# Altium PCB radxa_cm3i_io_board_v1.4.PcbDoc (part 3 of 9)
Units mil, origin at the board's own origin, x right, y up, seen from the top; angles counter-clockwise.
Board outline 7886.22 x 5511.42 mil, 4 copper layers (Top, GND, Power, Bottom), stack 35.4 mil thick; 724 components, 544 nets, 2607 pads, 3449 vias.
Unrouted connection lines stored in the file: 2847.
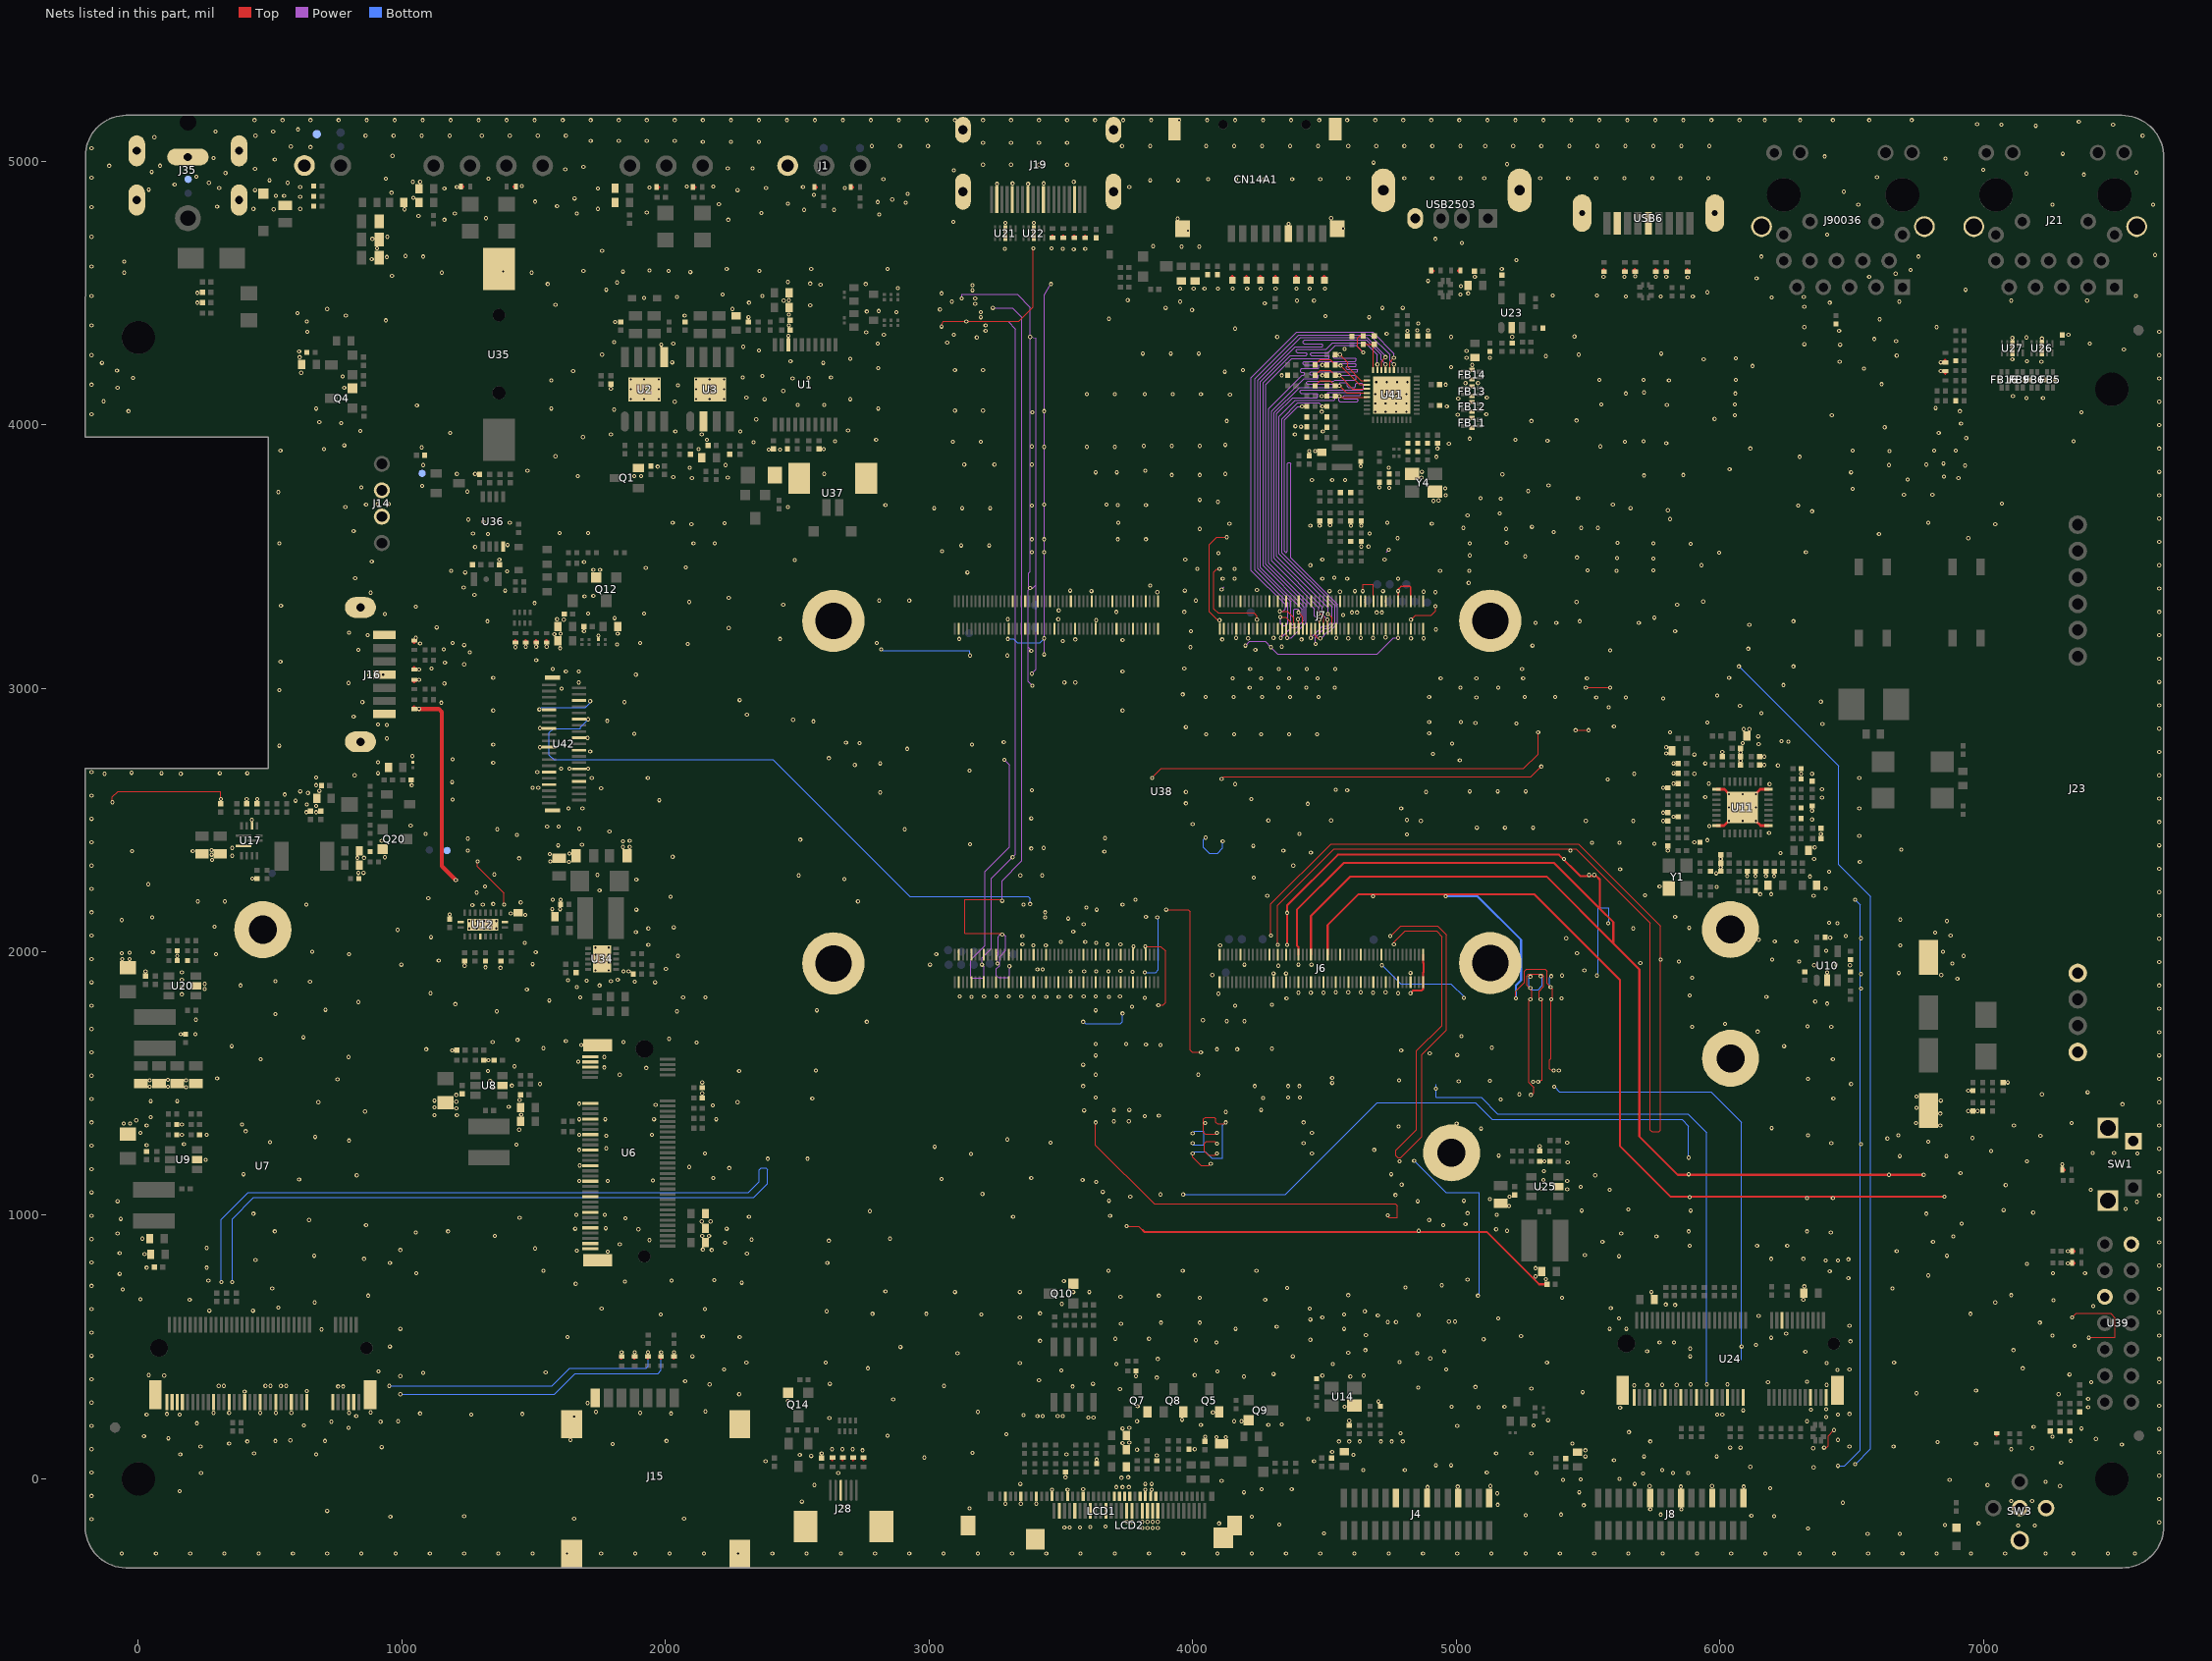
[diagram p5: the nets of this part, all layers, seen from the top]

## Via types
v1: diameter 15.75, hole 7.87, Top to Bottom, 3415 vias
v2: diameter 19.68, hole 11.81, Top to Bottom, 34 vias

## Nets (pads, with @x,y where several pads share a name; then routed paths per layer and width w, separated by ;. In a path a pad name is that pad's centre, name@x,y a point inside that pad or via, vN(x,y) a via of type N, cw(c..) or ccw(c..) an arc to the next point about the centre after c; other vN are vias at no path point) (continued)
GMAC0_RXCLK: J7.53 R400.2 | length 1785.9
  Top w3.94: v1(4415.35,4068.9) R400.2@4433.07,4068.9 ; J7.53@4465.35,3225.59 4465.35,3198.82 4475.2,3188.98 v1(4484.25,3188.98)
  Power w3.94: v1(4415.35,4068.9) 4399.61,4068.9 4348.43,4017.72 4348.43,3519.69 4352.36,3515.75 4356.3,3515.75 4360.24,3519.69 4360.24,3852.36 4364.17,3856.3 4368.11,3856.3 4372.05,3852.36 4372.05,3494.09 4549.21,3316.93 4549.21,3244.09 4519.69,3214.57 4512.85,3214.57 4487.26,3188.98 v1(4484.25,3188.98)
GMAC0_RXD0: J7.45 R382.1 R383.2 U41.25 | length 1779.8
  Top w3.94: R383.2@4464.57,4147.64 4484.25,4167.32 4521.65,4167.32 R382.1@4541.34,4147.64 v1(4557.09,4147.64) 4584.65,4120.08 U41.25@4661.42,4120.08 ; v1(4513.78,3281.5) 4528.35,3266.93 J7.45@4528.35,3225.59
  Power w3.94: v1(4513.78,3281.5) 4513.78,3305.12 4318.9,3500 4318.9,4041.34 4379.92,4102.36 4470.47,4102.36 4474.41,4106.3 4474.41,4114.17 4470.47,4118.11 4411.42,4118.11 4407.48,4122.05 4407.48,4127.95 4411.42,4131.89 4643.7,4131.89 4647.64,4135.83 4647.64,4151.57 4641.73,4157.48 4622.05,4157.48 4618.11,4153.54 4618.11,4145.67 4614.17,4141.73 4590.55,4141.73 4586.61,4145.67 4586.61,4156.16 4583.33,4159.45 4561.02,4159.45 4557.09,4155.51 v1(4557.09,4147.64)
GMAC0_RXD1: J7.47 R386.1 R387.2 U41.24 | length 1787.3
  Top w3.94: R387.2@4464.57,4187.01 4484.25,4206.69 4521.65,4206.69 R386.1@4541.34,4187.01 v1(4557.09,4187.01) 4608.27,4135.83 U41.24@4661.42,4135.83 ; v1(4511.81,3259.84) 4512.6,3259.06 J7.47@4512.6,3225.59
  Power w3.94: v1(4511.81,3259.84) 4492.13,3279.53 4492.13,3309.06 4309.06,3492.13 4309.06,4045.28 4405.51,4141.73 4531.5,4141.73 4535.43,4145.67 4535.43,4149.61 4531.5,4153.54 4435.04,4153.54 4433.07,4155.51 4433.07,4161.42 4437.01,4165.35 4535.43,4165.35 4539.37,4169.29 4616.14,4169.29 4620.08,4173.23 4620.08,4183.07 4616.14,4187.01 v1(4557.09,4187.01)
GMAC0_RXD2: J7.49 R388.1 R389.2 U41.23 | length 1782.9
  Top w3.94: R389.2@4464.57,4226.38 4484.25,4246.06 4521.65,4246.06 R388.1@4541.34,4226.38 4543.31,4224.41 v1(4561.02,4224.41) 4633.86,4151.57 U41.23@4661.42,4151.57 ; v1(4478.35,3281.5) 4487.01,3281.5 4496.85,3271.65 J7.49@4496.85,3225.59
  Power w3.94: v1(4478.35,3281.5) 4478.35,3305.12 4299.21,3484.25 4299.21,4051.18 4423.23,4175.2 4472.44,4175.2 4476.38,4179.13 4476.38,4185.04 4472.44,4188.98 4446.85,4188.98 4444.88,4190.94 4444.88,4196.85 4448.82,4200.79 4624.02,4200.79 4625.98,4202.76 4625.98,4208.66 4624.02,4210.63 4584.65,4210.63 4582.68,4212.6 4582.68,4218.5 4584.65,4220.47 4618.11,4220.47 4620.08,4222.44 4620.08,4228.35 4616.14,4232.28 4566.93,4232.28 4561.02,4226.38 v1(4561.02,4224.41)
GMAC0_RXD3: J7.51 R372.2 U41.22 | length 1786.5
  Top w3.94: v1(4480.32,3259.84) 4481.1,3259.06 J7.51@4481.1,3225.59 ; R372.2@4541.34,4265.75 v1(4559.06,4265.75) 4588.58,4236.22 4588.58,4218.5 4639.76,4167.32 U41.22@4661.42,4167.32
  Power w3.94: v1(4480.32,3259.84) 4478.35,3259.84 4462.6,3275.59 4462.6,3301.18 4289.37,3474.41 4289.37,4061.02 4415.35,4187.01 4421.26,4187.01 4425.2,4190.94 4425.2,4194.88 4421.26,4198.82 4411.42,4198.82 4409.45,4200.79 4409.45,4208.66 4413.39,4212.6 4476.38,4212.6 4478.35,4214.57 4478.35,4224.41 4476.38,4226.38 4423.23,4226.38 4419.29,4230.31 4419.29,4236.22 4423.23,4240.16 4616.14,4240.16 4620.08,4244.09 4620.08,4248.03 4616.14,4251.97 4537.4,4251.97 4533.46,4255.91 4533.46,4261.81 4537.4,4265.75 v1(4559.06,4265.75)
GMAC0_RXDV_CRS: J7.55 R379.1 U41.26 | length 1785.3
  Top w3.94: v1(4448.82,3190.94) 4449.61,3191.73 J7.55@4449.61,3225.59 ; R379.1@4541.34,4108.27 v1(4557.09,4108.27) 4561.02,4104.33 U41.26@4661.42,4104.33
  Power w3.94: v1(4448.82,3190.94) 4494.09,3236.22 4513.78,3236.22 4529.53,3251.97 4529.53,3309.06 4328.74,3509.84 4328.74,4031.5 4389.76,4092.52 4537.4,4092.52 4540.93,4096.04 4540.93,4102.93 4537.56,4106.3 4509.84,4106.3 4507.87,4108.27 4507.87,4116.14 4513.78,4122.05 4635.83,4122.05 4637.8,4120.08 4637.8,4112.2 4635.83,4110.24 4575.93,4110.24 4572.83,4107.14 4572.83,4100.39 4574.8,4098.43 4624.02,4098.43 4627.95,4094.49 4627.95,4090.55 4624.02,4086.61 4559.06,4086.61 4555.12,4090.55 4555.12,4106.3 v1(4557.09,4108.27)
GMAC0_TXCLK: J7.67 R398.2 | length 1780.7
  Top w3.94: J7.67@4355.12,3225.59 4355.12,3198.82 4358.27,3195.67 v1(4358.27,3190.94) ; v1(4647.64,4273.62) 4625.98,4295.28 4625.98,4328.74 4633.86,4336.61 R398.2@4647.64,4336.61
  Power w3.94: v1(4358.27,3190.94) 4374.02,3190.94 4431.1,3248.03 4431.1,3316.93 4277.56,3470.47 4277.56,4151.57 4375.98,4250 4515.75,4250 4517.72,4251.97 4517.72,4259.84 4515.75,4261.81 4450.79,4261.81 4446.85,4265.75 4446.85,4269.69 4450.79,4273.62 4513.78,4273.62 4541.34,4301.18 4620.08,4301.18 v1(4647.64,4273.62)
GMAC0_TXD0: J7.59 U41.18 | length 1780.9
  Top w3.94: v1(4401.57,3287.4) 4418.11,3270.87 J7.59@4418.11,3225.59 ; U41.18@4716.54,4206.69 4716.54,4240.16 v1(4732.28,4255.91)
  Power w3.94: v1(4401.57,3287.4) 4401.57,3297.78 4398.17,3301.18 4387.8,3301.18 4383.86,3297.24 4383.86,3245.82 4380.17,3242.13 4375.98,3242.13 4372.05,3246.06 4372.05,3328.74 4248.03,3452.76 4248.03,4169.29 4409.45,4330.71 4661.42,4330.71 4732.28,4259.84 v1(4732.28,4255.91)
GMAC0_TXD1: J7.61 U41.17 | length 1777.2
  Top w3.94: v1(4399.61,3261.81) 4402.36,3259.06 J7.61@4402.36,3225.59 ; U41.17@4732.28,4206.69 v1(4732.28,4228.35)
  Power w3.94: v1(4399.61,3261.81) 4415.35,3277.56 4415.35,3299.21 4257.87,3456.69 4257.87,4163.39 4389.76,4295.28 4492.13,4295.28 4494.09,4297.24 4494.09,4303.15 4490.16,4307.09 4423.23,4307.09 4419.29,4311.02 4419.29,4314.96 4425.2,4320.87 4659.45,4320.87 4714.57,4265.75 4714.57,4246.06 v1(4732.28,4228.35)
GMAC0_TXD2: J7.63 U41.16 | length 1777.8
  Top w3.94: v1(4330.71,3291.34) 4360.24,3291.34 4383.86,3267.72 4383.86,3246.85 4386.61,3244.09 J7.63@4386.61,3225.59 ; U41.16@4748.03,4206.69 4748.03,4238.19 v1(4763.78,4253.94)
  Power w3.94: v1(4330.71,3291.34) 4342.52,3291.34 4352.36,3301.18 4352.36,3316.8 4222.44,3446.72 4222.44,4177.17 4395.67,4350.39 4683.07,4350.39 4763.78,4269.69 v1(4763.78,4253.94)
GMAC0_TXD3: J7.65 U41.15 | length 1792.8
  Top w3.94: v1(4332.68,3269.69) 4354.33,3269.69 4370.87,3253.15 J7.65@4370.87,3225.59 ; U41.15@4763.78,4206.69 v1(4763.78,4228.35)
  Power w3.94: v1(4332.68,3269.69) 4332.68,3244.09 4338.58,3238.19 4356.3,3238.19 4362.2,3244.09 4362.2,3322.83 4236.22,3448.82 4236.22,4175.2 4401.57,4340.55 4673.23,4340.55 4748.03,4265.75 4748.03,4244.09 v1(4763.78,4228.35)
GMAC0_TXEN: J7.69 U41.19 | length 1780.2
  Top w3.94: v1(4334.65,3190.94) 4339.37,3195.67 J7.69@4339.37,3225.59 ; U41.19@4700.79,4206.69 v1(4700.79,4228.35)
  Power w3.94: v1(4334.65,3190.94) 4374.02,3230.31 4395.67,3230.31 4423.23,3257.87 4423.23,3309.06 4267.72,3464.57 4267.72,4159.45 4370.08,4261.81 4431.1,4261.81 4435.04,4265.75 4435.04,4269.69 4431.1,4273.62 4397.64,4273.62 4393.7,4277.56 4393.7,4282.14 4397,4285.43 4505.91,4285.43 4531.5,4311.02 4655.51,4311.02 4700.79,4265.75 v1(4700.79,4228.35)
GMAC1_TXCLK: C256.1 R398.1 U41.20 | length 142.8
  Top w3.94: R398.1@4647.64,4305.12 4685.65,4305.12 4687.31,4303.45 C256.1@4688.98,4305.12 4685.04,4301.18 U41.20@4685.04,4206.69
GND: C3.2 C4.2 C5.1 C6.1 C7.2 C8.2 C9.2 C11.2 C12.2 C13.2 C14.2 C15.2 C17.2 C18.2 C19.2 C24.2 C25.2 C26.2 C31.2 C32.2 C33.2 C34.2 C35.2 C36.2 C37.2 C40.2 C41.2 C42.2 C44.2 C45.2 C46.2 C48.2 C49.2 C50.2 C51.2 C52.2 C53.2 C54.2 C55.2 C56.2 C57.2 C58.2 C59.2 C60.2 C61.2 C62.2 C63.2 C64.2 C65.2 C66.2 C67.2 C68.1 C69.1 C70.1 C71.1 C72.1 C73.1 C74.1 C75.1 C76.2 C78.1 C79.2 C80.2 C92.2 C94.2 C105.2 C106.2 C108.2 C109.2 C110.2 C111.2 C113.2 C114.2 C115.2 C116.2 C117.2 C118.2 C119.2 C120.2 C121.2 C122.2 C123.2 C124.2 C125.1 C126.2 C128.2 C129.2 C131.2 C132.2 C133.2 C134.2 C135.2 C136.2 C137.2 C138.2 C139.2 C140.2 C141.2 C142.2 C143.2 C144.2 C149.2 C150.2 C152.2 C153.2 C154.2 C155.2 C156.2 C157.1 C161.2 C162.2 C204.2 C206.2 C207.2 C208.2 C209.2 C210.2 C211.2 C213.1 C214.2 C215.2 C216.2 C217.1 C218.2 C219.2 C220.2 C221.2 C222.2 C223.2 C224.2 C225.1 C227.2 C228.2 C229.2 C230.2 C231.2 C232.2 C233.2 C238.2 C239.2 C240.2 C241.1 C242.2 C243.2 C244.2 C245.2 C246.2 C247.2 C248.2 C249.2 C250.2 C251.2 C252.2 C253.2 C254.2 C255.2 C256.2 C257.2 C258.2 C259.2 C260.2 C261.2 C262.2 C264.2 C267.2 C270.2 C271.1 C272.1 CN14A1.6 CN14A1.10 CN14A1.11 CN14A1.12 CN14A1.13 D1.1 D2.1 D3.1 D4.1 D6.1 D7.1 D8.1 D9.1 D10.1 D11.1 D12.1 D13.1 D14.1 D16.1 D26.1 D27.1 D32.1 D33.1 D34.1 D35.1 D40.1 D41.1 D42.1 D43.1 D44.1 D45.1 D46.1 D49.2 D50.2 D51.2 D53.2 ED1.2 ED2.2 ED3.2 ED4.2 ED5.2 ED6.2 ED7.2 ED8.2 ED9.2 ED10.2 ED11.2 ED12.2 ED13.2 ED14.2 ED15.2 ED16.2 ED17.2 ED18.2 FB1.2 FB2.2 FB5.5 FB5.6 FB6.5 FB6.6 FB9.5 FB9.6 FB11.5 FB11.6 FB12.5 FB12.6 FB13.5 FB13.6 FB14.5 FB14.6 FB16.5 FB16.6 GND_1.1 J1.3 J4.6 J4.9 J4.12 J4.15 J6.1 J6.2 J6.7 J6.13 J6.19 J6.22 J6.25 J6.31 J6.32 J6.37 J6.42 J6.43 J6.48 J6.49 J6.55 J6.56 J6.61 J6.62 J6.67 J6.68 J6.72 J6.73 J6.76 J6.90 J6.99 J6.100 J7.1 J7.2 J7.7 J7.8 J7.13 J7.14 J7.19 J7.20 J7.22 J7.25 J7.26 J7.30 J7.31 J7.32 J7.37 J7.42 J7.43 J7.48 J7.56 J7.57 J7.62 J7.68 J7.71 J7.72 J7.76 J7.77 J7.81 J7.85 J7.90 J7.91 J7.97 J7.99 J7.100 J8.6 J8.9 J8.12 J8.15 J14.2 J14.3 J15.1 J15.2 J15.3 J15.4 J15.C5 J16.1 J16.4 J16.7 J16.8 J16.9 J19.2 J19.5 J19.8 J19.11 J19.17 J19.20 J19.21 J19.22 J19.23 J20.1 J21.19 J21.20 J23.7 J23.10 J28.3 J28.7 J28.8 J32.1 J33.1 J35.3 J35.4 J35.5 J35.6 J35.7 J90036.19 J90036.20 LCD1.2 LCD1.5 LCD1.8 LCD1.11 LCD1.14 LCD1.17 LCD1.23 LCD1.24 LCD1.25 LCD1.26 LCD1.28 LCD1.29 LCD1.30 LCD1.31 LCD1.43 LCD1.44 LCD2.2 LCD2.5 LCD2.8 LCD2.11 LCD2.15 LCD2.16 LCD2.18 LCD2.19 LCD2.20 LCD2.21 LCD2.31 LCD2.32 LED2.2 P22.1 P23.1 Q1.2 Q4.2 Q5.2 Q7.2 Q8.2 Q9.2 Q10.2 Q12.2 Q14.2 Q20.2 R8.2 R21.2 R23.2 R33.2 R40.1 R41.2 R42.1 R109.2 R110.2 R114.2 R115.2 R121.2 R123.1 R125.1 R126.1 R129.2 R130.2 R133.2 R134.2 R141.2 R143.2 R144.2 R145.2 R146.1 R149.2 R150.2 R151.1 R153.1 R154.2 R167.2 R183.1 R191.2 R192.1 R193.2 R198.2 R202.2 R207.2 R208.2 R227.2 R228.2 R229.1 R235.1 R276.2 R295.1 R309.1 R314.2 R317.1 R321.1 R327.1 R329.2 R330.2 R353.2 R361.2 R364.2 R365.2 R367.2 R369.2 R370.2 R373.2 R378.2 R379.2 R380.2 R382.2 R386.2 R388.2 R391.2 SW1.1 SW1.3 SW1.4 SW3.2 SW3.3 SW3.L1 TP2.1 TP8.1 U1.18 U2.5 U2.9 U3.2 U3.9 U6.1 U6.3 U6.9 U6.15 U6.21 U6.27 U6.33 U6.39 U6.45 U6.51 U6.57 U6.71 U6.73 U6.75 U6.76 U6.77 U7.3 U7.5 U7.11 U7.21 U7.27 U7.33 U7.39 U7.45 U7.51 U7.57 U7.69 U7.71 U7.73 U7.75 U7.76 U7.77 U7.78 U8.2 U9.2 U10.2 U11.1 U11.8 U11.17 U11.24 U11.33 U12.4 U12.10 U12.19 U12.21 U14.2 U17.2 U17.10 U18.2 U20.2 U21.3 U21.8 U22.3 U22.8 U23.2 U24.1 U24.7 U24.18 U24.33 U24.39 U24.45 U24.51 U24.57 U24.63 U24.69 U24.75 U24.76 U24.77 U25.2 U26.3 U26.8 U27.3 U27.8 U34.11 U35.2 U36.4 U37.3 U37.4 U38.1 U38.2 U38.7 U38.8 U38.13 U38.14 U38.22 U38.23 U38.32 U38.33 U38.42 U38.43 U38.52 U38.53 U38.59 U38.60 U38.65 U38.66 U38.71 U38.74 U38.98 U38.107 U38.108 U38.113 U38.114 U38.119 U38.120 U38.125 U38.126 U38.131 U38.132 U38.137 U38.138 U38.144 U38.150 U38.155 U38.156 U38.161 U38.162 U38.167 U38.168 U38.173 U38.174 U38.179 U38.180 U38.185 U38.186 U38.191 U38.192 U38.197 U38.198 U38.201 U38.202 U38.203 U38.204 U39.2 U39.5 U41.41 U42.6 U42.9 U42.12 U42.15 U42.18 U42.21 U42.22 U42.28 U42.29 U42.32 U42.33 U42.40 U42.41 USB6.4 USB6.7 USB6.10 USB6.11 USB2503.4 USB2503.5 USB2503.6 Y1.2 Y4.2 Y4.4 | length 68673.8
  Top w3.94: v1(-98.43,2566.93) -98.43,2586.61 -76.77,2608.27 312.99,2608.27 v1(312.99,2578.74) ; v1(1287.4,2342.52) 1287.4,2322.83 1387.8,2222.44 v1(1387.8,2179.13) ; v1(3047.24,4372.05) 3053.15,4391.73 v1(3141.73,4391.73) 3340.55,4391.73 3395.67,4446.85 v1(3395.67,4669.29) ; v1(3277.56,2064.96) 3273.62,2068.9 3135.83,2068.9 3135.83,2198.82 3271.65,2198.82 v1(3277.56,2192.91) ; v1(3631.89,1352.36) 3631.89,1265.75 3854.33,1043.31 4769.69,1043.31 4777.56,1035.43 4777.56,992.13 4746.06,992.13 v1(4740.16,1000) ; v1(3750,958.66) 3795.28,958.66 3811.02,942.91 ; v1(3820.87,2019.69) 3879.92,2019.69 3897.64,2001.97 3897.64,1807.09 3887.8,1797.24 v1(3870.08,1797.24) ; v1(3846.46,2659.45) 3881.89,2694.88 5255.91,2694.88 5311.02,2750 v1(5311.02,2832.68) ; v1(3899.61,2159.45) 3983.27,2159.45 3990.16,2152.56 3990.16,1625.98 3998.03,1618.11 v1(4031.5,1618.11) ; v1(4000,1234.25) 4000,1220.47 4031.5,1188.98 4061.02,1188.98 4066.93,1194.88 v1(4068.9,1194.88) ; v1(4092.52,1234.25) 4090.55,1234.25 4084.65,1228.35 4059.06,1228.35 4045.28,1242.13 4045.28,1272.64 4052.17,1279.53 4084.65,1279.53 v1(4092.52,1271.65) ; v1(4092.52,1312.99) 4090.55,1311.02 4090.55,1307.09 4048.23,1307.09 4041.34,1313.98 4041.34,1365.16 4048.23,1372.05 4081.69,1372.05 4088.58,1365.16 4088.58,1353.35 4095.47,1346.46 4120.08,1346.46 v1(4125.98,1352.36) ; v1(4102.36,3257.87) 4094.49,3257.87 4062.99,3289.37 4062.99,3513.78 4062.99,3545.28 4090.55,3572.83 v1(4129.92,3572.83) ; v1(4102.36,3452.76) 4102.36,3450.79 4090.55,3450.79 4080.71,3440.94 4080.71,3301.18 4096.46,3285.43 4232.28,3285.43 4244.09,3273.62 v1(4244.09,3259.84) ; v1(4110.24,2655.51) 4118.11,2663.39 5283.46,2663.39 v1(5322.83,2702.76) ; v1(4297.24,2061.02) 4297.24,2181.1 4525.59,2409.45 5464.57,2409.45 5775.59,2098.43 v1(5775.59,1970.47) 5775.59,1323.82 5768.7,1316.93 5743.11,1316.93 5736.22,1323.82 5736.22,2108.27 5454.72,2389.76 4537.4,2389.76 4322.83,2175.2 v1(4322.83,2025.59) ; v1(4645.67,3368.11) 4645.67,3393.7 4685.83,3393.7 J7.26@4685.83,3329.53 ; v1(4750,2059.06) 4789.37,2098.43 4929.13,2098.43 4962.6,2064.96 4962.6,1702.76 4870.08,1610.24 4870.08,1299.21 4789.37,1218.5 4778.54,1218.5 4771.65,1225.39 4771.65,1246.06 4850.39,1324.8 4850.39,1624.02 4946.85,1720.47 4946.85,2057.09 4925.2,2078.74 4807.09,2078.74 4763.78,2035.43 v1(4763.78,2027.56) ; v1(4828.74,3259.84) 4846.46,3277.56 4905.51,3277.56 4921.26,3293.31 v1(4921.26,3311.02) ; v1(5226.38,1822.83) 5226.38,1850.39 5259.84,1883.86 5259.84,1927.17 5265.75,1933.07 5337.6,1933.07 5344.49,1926.18 5344.49,1879.92 v1(5358.27,1866.14) 5366.14,1858.27 5366.14,1824.8 v1(5360.24,1818.9) 5360.24,1594.49 5354.33,1588.58 5354.33,1556.1 5361.22,1549.21 v1(5370.08,1549.21) ; v1(5283.46,1456.69) 5288.39,1456.69 5295.28,1463.58 5295.28,1484.25 5275.59,1503.94 5275.59,1812.99 v1(5281.5,1818.9) 5287.4,1824.8 5287.4,1852.36 5267.72,1872.05 5267.72,1908.46 5274.61,1915.35 5325.79,1915.35 5332.68,1908.46 5332.68,1868.11 5314.96,1850.39 5314.96,1824.8 v1(5320.87,1818.9) 5326.77,1812.99 5326.77,1513.78 5322.83,1513.78 5322.83,1512.8 5315.94,1505.91 v1(5311.02,1505.91) ; v1(5452.76,2840.55) v1(5501.97,2840.55) ; v1(5492.13,3001.97) v1(5584.65,3001.97) ; v1(6395.67,118.11) 6404.53,118.11 6411.42,125 6411.42,163.39 v1(6433.07,185.04) ; v1(7336.61,612.2) 7352.36,627.95 7482.28,627.95 7500,610.24 7500,537.4 7401.57,537.4 v1(7399.61,535.43)
  Top w5.91: J7.14@4780.32,3329.53 4780.32,3375.49 4790.65,3385.83 4825.59,3385.83 4827.56,3383.86 J7.8@4827.56,3329.53
  Top w7.87: 3811.02,942.91 3816.93,937.01 5116.14,937.01 5314.96,738.19 C154.2@5344.49,738.19 ; v1(4358.27,2025.59) 4358.27,2175.2 4551.18,2368.11 5389.76,2368.11 5470.47,2287.4 5531.5,2287.4 5545.28,2273.62 5545.28,2163.39 ; J6.62@4401.97,1988.58 4401.57,1988.98 4401.57,2017.72 4395.67,2023.62 4395.67,2159.45 4572.83,2336.61 5372.05,2336.61 5545.28,2163.39 ; J6.56@4449.21,1988.58 4449.21,2135.83 4598.82,2285.43 5342.52,2285.43 5596.46,2031.5 ; J6.48@4512.2,1988.58 4512.2,2100.79 4629.92,2218.5 5295.28,2218.5 5622.05,1891.73 5622.05,1261.81 5812.99,1070.87 v1(6852.36,1070.87) ; v1(4826.77,1842.52) 4836.61,1852.36 4868.5,1852.36 4874.41,1858.27 J6.1@4874.41,1884.65 4874.41,1920.28 4875.98,1921.85 4875.98,1956.69 4874.41,1958.27 J6.2@4874.41,1988.58 ; v1(6773.62,1153.54) v1(6641.73,1153.54) 5840.55,1153.54 5694.88,1299.21 5694.88,1933.07 5596.46,2031.5 ; 5545.28,2163.39 5596.46,2112.2 5596.46,2031.5
  Top w9.84: U11.8@5988.19,2478.35 6015.75,2478.35 6153.54,2616.14 U11.24@6185.04,2616.14 ; U11.1@5988.19,2616.14 6017.72,2616.14 v1(6035.43,2598.43) v1(6086.61,2547.24) v1(6137.8,2496.06) 6155.51,2478.35 U11.17@6185.04,2478.35
  Top w15.75: v1(1064.96,2921.26) 1139.76,2921.26 1151.57,2909.45 1151.57,2324.8 v1(1204.72,2271.65)
  Power w3.94: v1(3124.02,4478.35) 3124.02,4494.09 3334.65,4494.09 3383.86,4444.88 v1(3383.86,4332.68) ; v1(3141.73,4391.73) 3299.21,4391.73 3328.74,4362.2 3328.74,2370.08 v1(3316.93,2358.27) 3236.22,2277.56 3236.22,2011.81 3200.79,1976.38 v1(3200.79,1950.79) 3208.66,1942.91 3208.66,1940.94 3208.66,1899.61 3157.48,1899.61 3157.48,1968.5 3212.6,2023.62 3212.6,2305.12 3305.12,2397.64 3305.12,2708.66 v1(3285.43,2728.35) ; v1(3242.13,4442.91) 3316.93,4442.91 3352.36,4407.48 3352.36,2344.49 3277.56,2269.69 v1(3277.56,2192.91) ; v1(3259.84,1954.72) 3259.84,1986.22 3261.81,1988.19 3261.81,2056.63 3268.7,2063.52 3275.26,2063.52 v1(3277.56,2064.96) 3284.45,2064.96 3291.34,2058.07 3291.34,2003.94 3267.72,1980.31 3267.72,1946.85 3255.91,1935.04 3255.91,1909.45 3263.78,1901.57 3299.21,1901.57 3305.12,1907.48 v1(3305.12,1944.88) ; v1(3387.8,3141.73) 3375.98,3155.51 ; v1(3389.76,3055.12) 3405.51,3070.87 3405.51,3391.73 ; v1(3391.73,3009.84) 3375.98,3025.59 3375.98,3155.51 ; v1(3437.01,3127.95) 3437.01,4492.13 v1(3462.6,4533.46) ; v1(4110.24,3374.02) 4120.08,3383.86 ; v1(4200.79,3161.42) 4216.54,3177.17 4275.59,3177.17 v1(4297.24,3155.51) 4322.83,3129.92 4700.79,3129.92 4761.81,3190.94 v1(4779.53,3190.94) ; v1(4466.54,3167.32) 4466.54,3192.91 4500,3226.38 4517.72,3226.38 4539.37,3248.03 4539.37,3312.99 4338.58,3513.78 4338.58,4021.65 4399.61,4082.68 4478.35,4082.68 v1(4492.13,4068.9) ; 4736.22,3517.72 v1(4744.09,3525.59) ; 3375.98,3155.51 3375.98,3372.05 v1(3383.86,3379.92) ; v1(3383.86,3379.92) 3377.95,3385.83 3377.95,3436.95 3383.86,3442.86 v1(3383.86,4332.68) ; v1(3383.86,3379.92) 3393.7,3379.92 3405.51,3391.73 ; v1(3383.86,4332.68) 3405.51,4329.85 3405.51,3391.73
  Bottom w3.94: v1(314.96,746.06) 314.96,984.25 417.32,1086.61 2314.96,1086.61 2356.3,1127.95 2356.3,1172.24 2363.19,1179.13 2380.91,1179.13 2387.8,1172.24 2387.8,1120.08 2334.65,1066.93 437.01,1066.93 356.3,986.22 v1(356.3,746.06) ; v1(952.76,352.36) 1568.9,352.36 1635.83,419.29 1926.38,419.29 1934.25,427.17 v1(1934.25,480.31) ; v1(994.09,320.87) 1578.74,320.87 1657.48,399.61 1971.65,399.61 1983.46,411.42 v1(1983.46,480.31) ; v1(1521.65,2919.29) 1529.53,2927.17 1696.85,2927.17 1714.57,2944.88 v1(1714.57,2950.79) ; v1(1706.69,2881.89) 1677.17,2852.36 1677.17,2846.46 1574.8,2846.46 1559.06,2830.71 1559.06,2746.06 1576.77,2728.35 2407.48,2728.35 2927.17,2208.66 3376.97,2208.66 3383.86,2201.77 v1(3383.86,2181.1) ; v1(2818.9,3147.64) 2824.8,3141.73 3155.51,3141.73 v1(3155.51,3124.02) ; v1(3299.21,3187.01) 3320.87,3187.01 3334.65,3173.23 3421.26,3173.23 v1(3437.01,3188.98) ; v1(3584.65,1734.25) 3586.61,1734.25 3594.49,1726.38 3726.38,1726.38 3734.25,1734.25 v1(3734.25,1765.75) ; v1(3818.9,1921.26) 3860.24,1921.26 3870.08,1931.1 3870.08,2125.98 v1(3866.14,2129.92) ; v1(3964.57,1078.74) 4352.36,1078.74 4700.79,1427.17 5072.83,1427.17 5135.83,1364.17 5856.3,1364.17 5881.89,1338.58 v1(5881.89,1218.5) ; v1(4000,1234.25) 4005.91,1240.16 4049.21,1240.16 4072.83,1216.54 4114.17,1216.54 4114.17,1342.52 4116.14,1342.52 v1(4125.98,1352.36) ; v1(4000,1273.62) 4001.97,1275.59 4001.97,1267.72 4043.31,1267.72 4043.31,1318.9 4007.87,1318.9 v1(4000,1311.02) ; v1(4049.21,2433.07) 4041.34,2425.2 4041.34,2395.67 4062.99,2374.02 4094.49,2374.02 4114.17,2393.7 v1(4114.17,2419.29) ; v1(4718.5,1948.82) 4789.37,1877.95 4980.32,1877.95 5029.53,1828.74 v1(5029.53,1824.8) ; v1(4840.55,1206.69) 4960.63,1086.61 5088.58,1086.61 5088.58,702.76 5082.68,696.85 v1(5082.68,694.88) ; 4923.23,1496.06 v1(4923.23,1480.31) 4923.23,1446.85 5094.49,1446.85 5157.48,1383.86 5879.92,1383.86 5950.79,1312.99 v1(5950.79,358.27) ; v1(5281.5,1905.51) 5275.59,1899.61 5275.59,1868.11 v1(5281.5,1862.2) 5287.4,1856.3 5311.02,1856.3 5326.77,1872.05 5326.77,1901.57 v1(5320.87,1907.48) ; v1(5358.27,1866.14) 5356.3,1868.11 5354.33,1868.11 5354.33,1901.57 v1(5360.24,1907.48) ; v1(5372.05,1488.19) 5391.73,1468.5 5966.54,1468.5 6082.68,1352.36 6082.68,450.79 v1(6082.68,501.97) ; v1(5533.46,1909.45) 5539.37,1915.35 5539.37,2167.32 5578.74,2167.32 5578.74,2106.3 v1(5576.77,2108.27) ; v1(6072.83,3082.68) 6450.79,2704.72 6450.79,2330.71 6572.83,2208.66 6572.83,114.17 v1(6513.78,55.12) ; v1(6448.82,49.21) 6474.41,49.21 6533.46,108.27 6533.46,2177.17 v1(6513.78,2196.85)
  Bottom w7.87: v1(4960.63,2210.63) 5080.71,2210.63 5246.06,2045.28 5246.06,1891.73 5226.38,1872.05 v1(5226.38,1822.83)